# Altium PCB PCB.pcbdoc (part 2 of 6)
Units mil, origin at the board's own origin, x right, y up, seen from the top; angles counter-clockwise.
Board outline 12030 x 6651.89 mil, 2 copper layers (Top Layer, Bottom Layer); 4 components, 257 nets, 480 pads, 2 vias.
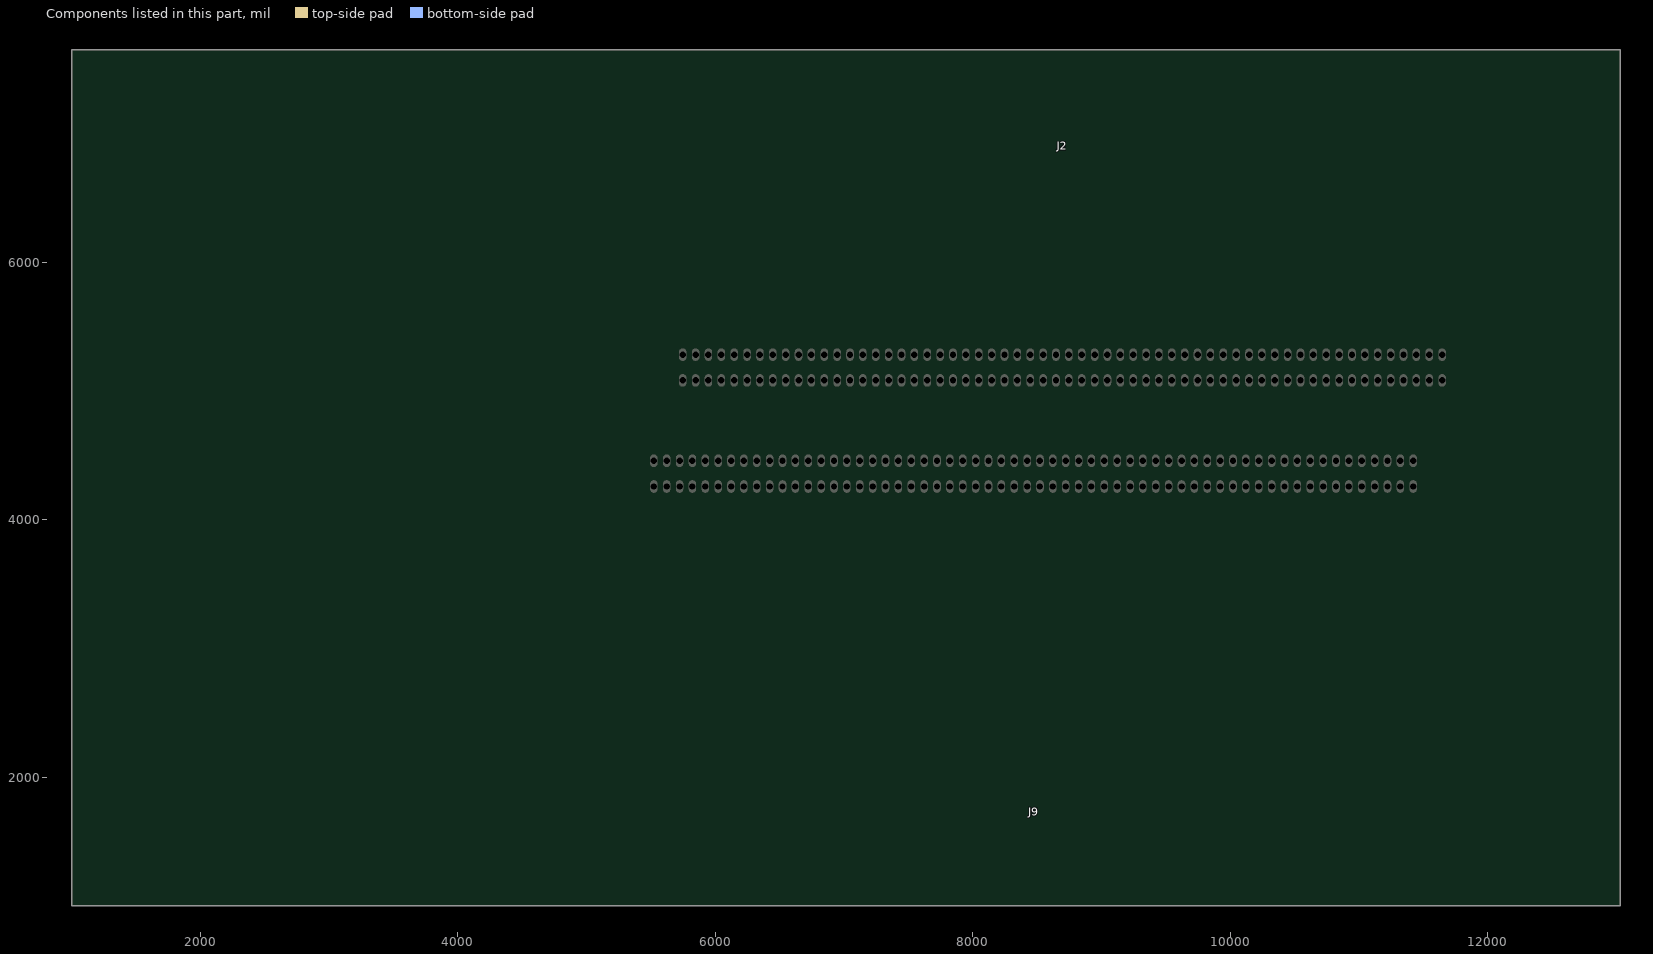
[diagram p2: the components of this part, seen from the top]

## Footprints (in the part's own frame and the unit in brackets; to place one, negate y for a bottom-side part, rotate by r counter-clockwise, add the part's x,y. Pads: shape width x height; smd on the part's side, far side on the other; paste and mask are expansions set on the pad) (continued)
I/O_EDGE_CONNECTOR [mil] (continued)
  Top Layer region: 751.63,213.52 750,213.56 750,213.56 748.36,213.52 748.36,213.52 746.73,213.4 746.73,213.4 745.11,213.2 745.11,213.2 743.49,212.92 743.49,212.92 741.9,212.56 741.9,212.56 740.32,212.13 740.32,212.13 738.77,211.61 738.77,211.61 737.24,211.03 737.24,211.03 735.74,210.37 735.74,210.37 734.28,209.63 734.28,209.63 732.86,208.83 732.86,208.83 731.47,207.95 731.47,207.95 730.13,207.01 730.13,207.01 728.84,206.01 728.84,206.01 727.6,204.94 727.6,204.94 726.41,203.82 726.41,203.82 725.28,202.63 725.28,202.63 724.21,201.4 724.21,201.4 723.2,200.11 723.2,200.11 722.25,198.78 722.25,198.78 721.37,197.4 721.37,197.4 720.56,195.98 720.56,195.98 719.82,194.52 719.82,194.52 719.15,193.02 719.15,193.02 718.56,191.5 718.56,191.5 718.04,189.95 718.04,189.95 717.6,188.37 717.6,188.37 717.23,186.78 717.23,186.78 716.95,185.17 716.95,185.17 716.74,183.54 716.74,183.54 716.61,181.91 716.61,181.91 716.56,180.31 716.56,180.31 716.53,180.31 716.53,180.31 716.53,-213.39 716.53,-213.39 783.46,-213.39 783.46,-213.39 783.46,180.31 783.46,180.31 783.41,181.94 783.41,181.94 783.28,183.57 783.28,183.57 783.07,185.2 783.07,185.2 782.79,186.81 782.79,186.81 782.42,188.4 782.42,188.4 781.98,189.98 781.98,189.98 781.45,191.53 781.45,191.53 780.86,193.05 780.86,193.05 780.19,194.55 780.19,194.55 779.45,196 779.45,196 778.63,197.42 778.63,197.42 777.75,198.8 777.75,198.8 776.81,200.14 776.81,200.14 775.8,201.42 775.8,201.42 774.72,202.66 774.72,202.66 773.59,203.84 773.59,203.84 772.4,204.96 772.4,204.96 771.16,206.03 771.16,206.03 769.86,207.03 769.86,207.03 768.53,207.97 768.53,207.97 767.14,208.84 767.14,208.84 765.72,209.65 765.72,209.65 764.25,210.38 764.25,210.38 762.75,211.04 762.75,211.04 761.23,211.63 761.23,211.63 759.67,212.14 759.67,212.14 758.1,212.57 758.1,212.57 756.5,212.93 756.5,212.93 754.89,213.21 754.89,213.21 753.26,213.4 753.26,213.4
  Top Layer region: 651.63,213.52 649.99,213.56 649.99,213.56 648.36,213.52 648.36,213.52 646.73,213.4 646.73,213.4 645.1,213.2 645.1,213.2 643.49,212.92 643.49,212.92 641.89,212.56 641.89,212.56 640.32,212.13 640.32,212.13 638.76,211.61 638.76,211.61 637.24,211.03 637.24,211.03 635.74,210.37 635.74,210.37 634.28,209.63 634.28,209.63 632.85,208.83 632.85,208.83 631.47,207.95 631.47,207.95 630.13,207.01 630.13,207.01 628.84,206.01 628.84,206.01 627.6,204.94 627.6,204.94 626.41,203.82 626.41,203.82 625.28,202.64 625.28,202.64 624.21,201.4 624.21,201.4 623.19,200.11 623.19,200.11 622.25,198.78 622.25,198.78 621.37,197.4 621.37,197.4 620.56,195.98 620.56,195.98 619.82,194.52 619.82,194.52 619.15,193.02 619.15,193.02 618.56,191.5 618.56,191.5 618.04,189.95 618.04,189.95 617.6,188.37 617.6,188.37 617.23,186.78 617.23,186.78 616.94,185.17 616.94,185.17 616.73,183.54 616.73,183.54 616.61,181.91 616.61,181.91 616.56,180.31 616.56,180.31 616.53,180.31 616.53,180.31 616.53,-213.39 616.53,-213.39 683.46,-213.39 683.46,-213.39 683.46,180.31 683.46,180.31 683.41,181.94 683.41,181.94 683.28,183.57 683.28,183.57 683.07,185.2 683.07,185.2 682.78,186.81 682.78,186.81 682.41,188.4 682.41,188.4 681.97,189.98 681.97,189.98 681.45,191.53 681.45,191.53 680.86,193.05 680.86,193.05 680.19,194.55 680.19,194.55 679.44,196 679.44,196 678.63,197.42 678.63,197.42 677.75,198.8 677.75,198.8 676.8,200.14 676.8,200.14 675.79,201.42 675.79,201.42 674.72,202.66 674.72,202.66 673.59,203.84 673.59,203.84 672.4,204.96 672.4,204.96 671.16,206.03 671.16,206.03 669.86,207.03 669.86,207.03 668.52,207.97 668.52,207.97 667.14,208.84 667.14,208.84 665.71,209.65 665.71,209.65 664.25,210.38 664.25,210.38 662.75,211.04 662.75,211.04 661.23,211.63 661.23,211.63 659.67,212.14 659.67,212.14 658.09,212.57 658.09,212.57 656.5,212.93 656.5,212.93 654.89,213.21 654.89,213.21 653.26,213.4 653.26,213.4
  Top Layer region: 551.61,213.52 549.97,213.56 549.97,213.56 548.34,213.52 548.34,213.52 546.7,213.4 546.7,213.4 545.08,213.2 545.08,213.2 543.47,212.92 543.47,212.92 541.87,212.56 541.87,212.56 540.29,212.13 540.29,212.13 538.74,211.61 538.74,211.61 537.21,211.03 537.21,211.03 535.72,210.37 535.72,210.37 534.25,209.63 534.25,209.63 532.83,208.83 532.83,208.83 531.45,207.95 531.45,207.95 530.11,207.01 530.11,207.01 528.82,206.01 528.82,206.01 527.57,204.94 527.57,204.94 526.39,203.82 526.39,203.82 525.26,202.63 525.26,202.63 524.19,201.4 524.19,201.4 523.17,200.11 523.17,200.11 522.23,198.78 522.23,198.78 521.35,197.4 521.35,197.4 520.54,195.97 520.54,195.97 519.79,194.52 519.79,194.52 519.13,193.02 519.13,193.02 518.53,191.5 518.53,191.5 518.02,189.95 518.02,189.95 517.57,188.37 517.57,188.37 517.21,186.78 517.21,186.78 516.92,185.17 516.92,185.17 516.71,183.54 516.71,183.54 516.58,181.91 516.58,181.91 516.54,180.31 516.54,180.31 516.51,180.31 516.51,180.31 516.51,-213.39 516.51,-213.39 583.44,-213.39 583.44,-213.39 583.44,180.31 583.44,180.31 583.39,181.94 583.39,181.94 583.26,183.57 583.26,183.57 583.05,185.2 583.05,185.2 582.76,186.81 582.76,186.81 582.4,188.4 582.4,188.4 581.95,189.98 581.95,189.98 581.43,191.53 581.43,191.53 580.83,193.05 580.83,193.05 580.17,194.54 580.17,194.54 579.42,196 579.42,196 578.61,197.42 578.61,197.42 577.73,198.8 577.73,198.8 576.78,200.14 576.78,200.14 575.77,201.42 575.77,201.42 574.69,202.66 574.69,202.66 573.56,203.84 573.56,203.84 572.38,204.96 572.38,204.96 571.14,206.03 571.14,206.03 569.84,207.03 569.84,207.03 568.5,207.97 568.5,207.97 567.12,208.84 567.12,208.84 565.69,209.65 565.69,209.65 564.23,210.38 564.23,210.38 562.73,211.04 562.73,211.04 561.2,211.62 561.2,211.62 559.65,212.13 559.65,212.13 558.07,212.57 558.07,212.57 556.48,212.93 556.48,212.93 554.86,213.2 554.86,213.2 553.24,213.4 553.24,213.4
  Top Layer region: 451.6,213.52 449.97,213.56 449.97,213.56 448.33,213.52 448.33,213.52 446.7,213.4 446.7,213.4 445.08,213.2 445.08,213.2 443.46,212.92 443.46,212.92 441.87,212.56 441.87,212.56 440.29,212.13 440.29,212.13 438.74,211.62 438.74,211.62 437.21,211.03 437.21,211.03 435.71,210.37 435.71,210.37 434.25,209.63 434.25,209.63 432.83,208.83 432.83,208.83 431.44,207.95 431.44,207.95 430.1,207.01 430.1,207.01 428.81,206.01 428.81,206.01 427.57,204.94 427.57,204.94 426.38,203.82 426.38,203.82 425.25,202.64 425.25,202.64 424.18,201.4 424.18,201.4 423.17,200.11 423.17,200.11 422.23,198.78 422.23,198.78 421.34,197.4 421.34,197.4 420.53,195.98 420.53,195.98 419.79,194.52 419.79,194.52 419.12,193.02 419.12,193.02 418.53,191.5 418.53,191.5 418.01,189.95 418.01,189.95 417.57,188.37 417.57,188.37 417.2,186.78 417.2,186.78 416.92,185.17 416.92,185.17 416.71,183.54 416.71,183.54 416.58,181.91 416.58,181.91 416.53,180.31 416.53,180.31 416.51,180.31 416.51,180.31 416.51,-213.39 416.51,-213.39 483.43,-213.39 483.43,-213.39 483.43,180.31 483.43,180.31 483.38,181.94 483.38,181.94 483.26,183.57 483.26,183.57 483.05,185.2 483.05,185.2 482.76,186.81 482.76,186.81 482.39,188.4 482.39,188.4 481.95,189.98 481.95,189.98 481.42,191.53 481.42,191.53 480.83,193.05 480.83,193.05 480.16,194.55 480.16,194.55 479.42,196 479.42,196 478.61,197.42 478.61,197.42 477.73,198.8 477.73,198.8 476.78,200.14 476.78,200.14 475.77,201.42 475.77,201.42 474.69,202.66 474.69,202.66 473.56,203.84 473.56,203.84 472.37,204.96 472.37,204.96 471.13,206.03 471.13,206.03 469.84,207.03 469.84,207.03 468.5,207.97 468.5,207.97 467.11,208.84 467.11,208.84 465.69,209.65 465.69,209.65 464.23,210.38 464.23,210.38 462.73,211.04 462.73,211.04 461.2,211.63 461.2,211.63 459.65,212.14 459.65,212.14 458.07,212.57 458.07,212.57 456.47,212.93 456.47,212.93 454.86,213.2 454.86,213.2 453.24,213.4 453.24,213.4
  Top Layer region: 351.6,213.52 349.97,213.56 349.97,213.56 348.33,213.52 348.33,213.52 346.7,213.4 346.7,213.4 345.08,213.2 345.08,213.2 343.46,212.92 343.46,212.92 341.87,212.56 341.87,212.56 340.29,212.13 340.29,212.13 338.74,211.61 338.74,211.61 337.21,211.03 337.21,211.03 335.71,210.37 335.71,210.37 334.25,209.63 334.25,209.63 332.83,208.83 332.83,208.83 331.44,207.95 331.44,207.95 330.1,207.01 330.1,207.01 328.81,206.01 328.81,206.01 327.57,204.94 327.57,204.94 326.38,203.82 326.38,203.82 325.25,202.64 325.25,202.64 324.18,201.4 324.18,201.4 323.17,200.11 323.17,200.11 322.23,198.78 322.23,198.78 321.34,197.4 321.34,197.4 320.53,195.98 320.53,195.98 319.79,194.52 319.79,194.52 319.12,193.02 319.12,193.02 318.53,191.5 318.53,191.5 318.01,189.95 318.01,189.95 317.57,188.37 317.57,188.37 317.2,186.78 317.2,186.78 316.92,185.17 316.92,185.17 316.71,183.55 316.71,183.55 316.58,181.91 316.58,181.91 316.53,180.31 316.53,180.31 316.51,180.31 316.51,180.31 316.51,-213.39 316.51,-213.39 383.43,-213.39 383.43,-213.39 383.43,180.31 383.43,180.31 383.38,181.94 383.38,181.94 383.26,183.58 383.26,183.58 383.05,185.2 383.05,185.2 382.76,186.81 382.76,186.81 382.39,188.4 382.39,188.4 381.95,189.98 381.95,189.98 381.42,191.53 381.42,191.53 380.83,193.05 380.83,193.05 380.16,194.55 380.16,194.55 379.42,196.01 379.42,196.01 378.61,197.43 378.61,197.43 377.73,198.8 377.73,198.8 376.78,200.14 376.78,200.14 375.77,201.42 375.77,201.42 374.69,202.66 374.69,202.66 373.56,203.84 373.56,203.84 372.37,204.97 372.37,204.97 371.13,206.03 371.13,206.03 369.84,207.03 369.84,207.03 368.5,207.97 368.5,207.97 367.11,208.84 367.11,208.84 365.69,209.65 365.69,209.65 364.23,210.38 364.23,210.38 362.73,211.04 362.73,211.04 361.2,211.63 361.2,211.63 359.65,212.14 359.65,212.14 358.07,212.57 358.07,212.57 356.47,212.93 356.47,212.93 354.86,213.21 354.86,213.21 353.24,213.4 353.24,213.4
  Top Layer region: 251.6,213.52 249.97,213.56 249.97,213.56 248.34,213.52 248.34,213.52 246.7,213.4 246.7,213.4 245.08,213.2 245.08,213.2 243.47,212.92 243.47,212.92 241.87,212.56 241.87,212.56 240.29,212.13 240.29,212.13 238.74,211.62 238.74,211.62 237.21,211.03 237.21,211.03 235.72,210.37 235.72,210.37 234.25,209.63 234.25,209.63 232.83,208.83 232.83,208.83 231.44,207.95 231.44,207.95 230.1,207.01 230.1,207.01 228.81,206.01 228.81,206.01 227.57,204.94 227.57,204.94 226.39,203.82 226.39,203.82 225.26,202.64 225.26,202.64 224.18,201.4 224.18,201.4 223.17,200.11 223.17,200.11 222.23,198.78 222.23,198.78 221.35,197.4 221.35,197.4 220.53,195.98 220.53,195.98 219.8,194.52 219.8,194.52 219.13,193.02 219.13,193.02 218.53,191.5 218.53,191.5 218.01,189.95 218.01,189.95 217.57,188.37 217.57,188.37 217.21,186.78 217.21,186.78 216.92,185.17 216.92,185.17 216.71,183.55 216.71,183.55 216.58,181.91 216.58,181.91 216.54,180.31 216.54,180.31 216.51,180.31 216.51,180.31 216.51,-213.39 216.51,-213.39 283.43,-213.39 283.43,-213.39 283.43,180.31 283.43,180.31 283.39,181.95 283.39,181.95 283.26,183.58 283.26,183.58 283.05,185.2 283.05,185.2 282.76,186.81 282.76,186.81 282.39,188.4 282.39,188.4 281.95,189.98 281.95,189.98 281.43,191.53 281.43,191.53 280.83,193.05 280.83,193.05 280.16,194.55 280.16,194.55 279.42,196.01 279.42,196.01 278.61,197.43 278.61,197.43 277.73,198.8 277.73,198.8 276.78,200.14 276.78,200.14 275.77,201.42 275.77,201.42 274.69,202.66 274.69,202.66 273.56,203.84 273.56,203.84 272.37,204.97 272.37,204.97 271.13,206.03 271.13,206.03 269.84,207.03 269.84,207.03 268.5,207.97 268.5,207.97 267.11,208.84 267.11,208.84 265.69,209.65 265.69,209.65 264.23,210.38 264.23,210.38 262.73,211.04 262.73,211.04 261.2,211.63 261.2,211.63 259.65,212.14 259.65,212.14 258.07,212.57 258.07,212.57 256.47,212.93 256.47,212.93 254.86,213.21 254.86,213.21 253.24,213.4 253.24,213.4
  Top Layer region: 151.6,213.52 149.97,213.56 149.97,213.56 148.33,213.52 148.33,213.52 146.7,213.4 146.7,213.4 145.08,213.2 145.08,213.2 143.47,212.92 143.47,212.92 141.87,212.56 141.87,212.56 140.29,212.13 140.29,212.13 138.74,211.62 138.74,211.62 137.21,211.03 137.21,211.03 135.71,210.37 135.71,210.37 134.25,209.63 134.25,209.63 132.83,208.83 132.83,208.83 131.44,207.95 131.44,207.95 130.1,207.01 130.1,207.01 128.81,206.01 128.81,206.01 127.57,204.94 127.57,204.94 126.38,203.82 126.38,203.82 125.25,202.64 125.25,202.64 124.18,201.4 124.18,201.4 123.17,200.11 123.17,200.11 122.23,198.78 122.23,198.78 121.35,197.4 121.35,197.4 120.53,195.98 120.53,195.98 119.8,194.52 119.8,194.52 119.13,193.02 119.13,193.02 118.53,191.5 118.53,191.5 118.01,189.95 118.01,189.95 117.57,188.37 117.57,188.37 117.2,186.78 117.2,186.78 116.92,185.17 116.92,185.17 116.71,183.55 116.71,183.55 116.58,181.91 116.58,181.91 116.53,180.31 116.53,180.31 116.51,180.31 116.51,180.31 116.51,-213.39 116.51,-213.39 183.43,-213.39 183.43,-213.39 183.43,180.31 183.43,180.31 183.39,181.95 183.39,181.95 183.26,183.58 183.26,183.58 183.05,185.2 183.05,185.2 182.76,186.81 182.76,186.81 182.39,188.4 182.39,188.4 181.95,189.98 181.95,189.98 181.42,191.53 181.42,191.53 180.83,193.05 180.83,193.05 180.16,194.55 180.16,194.55 179.42,196.01 179.42,196.01 178.61,197.43 178.61,197.43 177.73,198.8 177.73,198.8 176.78,200.14 176.78,200.14 175.77,201.42 175.77,201.42 174.69,202.66 174.69,202.66 173.56,203.84 173.56,203.84 172.37,204.97 172.37,204.97 171.13,206.03 171.13,206.03 169.84,207.03 169.84,207.03 168.5,207.97 168.5,207.97 167.11,208.84 167.11,208.84 165.69,209.65 165.69,209.65 164.23,210.38 164.23,210.38 162.73,211.04 162.73,211.04 161.2,211.63 161.2,211.63 159.65,212.14 159.65,212.14 158.07,212.57 158.07,212.57 156.47,212.93 156.47,212.93 154.86,213.21 154.86,213.21 153.24,213.4 153.24,213.4
  Top Layer region: 51.63,213.84 50,213.88 50,213.88 48.36,213.84 48.36,213.84 46.73,213.71 46.73,213.71 45.11,213.51 45.11,213.51 43.5,213.23 43.5,213.23 41.9,212.88 41.9,212.88 40.32,212.44 40.32,212.44 38.77,211.93 38.77,211.93 37.24,211.34 37.24,211.34 35.74,210.68 35.74,210.68 34.28,209.95 34.28,209.95 32.86,209.14 32.86,209.14 31.47,208.27 31.47,208.27 30.13,207.33 30.13,207.33 28.84,206.32 28.84,206.32 27.6,205.26 27.6,205.26 26.41,204.13 26.41,204.13 25.28,202.95 25.28,202.95 24.21,201.71 24.21,201.71 23.2,200.43 23.2,200.43 22.26,199.09 22.26,199.09 21.38,197.71 21.38,197.71 20.57,196.29 20.57,196.29 19.83,194.83 19.83,194.83 19.16,193.34 19.16,193.34 18.56,191.81 18.56,191.81 18.04,190.26 18.04,190.26 17.6,188.69 17.6,188.69 17.24,187.09 17.24,187.09 16.95,185.48 16.95,185.48 16.74,183.86 16.74,183.86 16.61,182.23 16.61,182.23 16.57,180.62 16.57,180.62 16.54,180.62 16.54,180.62 16.54,-213.08 16.54,-213.08 83.47,-213.08 83.47,-213.08 83.47,180.62 83.47,180.62 83.42,182.26 83.42,182.26 83.29,183.89 83.29,183.89 83.08,185.51 83.08,185.51 82.79,187.12 82.79,187.12 82.42,188.72 82.42,188.72 81.98,190.29 81.98,190.29 81.46,191.84 81.46,191.84 80.86,193.37 80.86,193.37 80.19,194.86 80.19,194.86 79.45,196.32 79.45,196.32 78.64,197.74 78.64,197.74 77.76,199.12 77.76,199.12 76.81,200.45 76.81,200.45 75.8,201.74 75.8,201.74 74.72,202.97 74.72,202.97 73.59,204.15 73.59,204.15 72.4,205.28 72.4,205.28 71.16,206.34 71.16,206.34 69.87,207.35 69.87,207.35 68.53,208.28 68.53,208.28 67.14,209.16 67.14,209.16 65.72,209.96 65.72,209.96 64.26,210.69 64.26,210.69 62.76,211.35 62.76,211.35 61.23,211.94 61.23,211.94 59.68,212.45 59.68,212.45 58.1,212.88 58.1,212.88 56.5,213.24 56.5,213.24 54.89,213.52 54.89,213.52 53.27,213.72 53.27,213.72
  Top Layer region: -48.36,213.84 -50,213.88 -50,213.88 -51.64,213.84 -51.64,213.84 -53.27,213.71 -53.27,213.71 -54.89,213.51 -54.89,213.51 -56.5,213.23 -56.5,213.23 -58.1,212.88 -58.1,212.88 -59.68,212.44 -59.68,212.44 -61.23,211.93 -61.23,211.93 -62.76,211.34 -62.76,211.34 -64.25,210.68 -64.25,210.68 -65.72,209.95 -65.72,209.95 -67.14,209.14 -67.14,209.14 -68.52,208.27 -68.52,208.27 -69.86,207.33 -69.86,207.33 -71.16,206.32 -71.16,206.32 -72.4,205.26 -72.4,205.26 -73.58,204.13 -73.58,204.13 -74.72,202.95 -74.72,202.95 -75.79,201.71 -75.79,201.71 -76.8,200.43 -76.8,200.43 -77.74,199.09 -77.74,199.09 -78.62,197.71 -78.62,197.71 -79.43,196.29 -79.43,196.29 -80.17,194.83 -80.17,194.83 -80.84,193.34 -80.84,193.34 -81.44,191.81 -81.44,191.81 -81.95,190.26 -81.95,190.26 -82.4,188.69 -82.4,188.69 -82.76,187.09 -82.76,187.09 -83.05,185.48 -83.05,185.48 -83.26,183.86 -83.26,183.86 -83.39,182.23 -83.39,182.23 -83.43,180.62 -83.43,180.62 -83.46,180.62 -83.46,180.62 -83.46,-213.08 -83.46,-213.08 -16.53,-213.08 -16.53,-213.08 -16.53,180.62 -16.53,180.62 -16.58,182.26 -16.58,182.26 -16.71,183.89 -16.71,183.89 -16.92,185.51 -16.92,185.51 -17.21,187.12 -17.21,187.12 -17.58,188.72 -17.58,188.72 -18.02,190.29 -18.02,190.29 -18.54,191.84 -18.54,191.84 -19.14,193.37 -19.14,193.37 -19.81,194.86 -19.81,194.86 -20.55,196.32 -20.55,196.32 -21.36,197.74 -21.36,197.74 -22.24,199.12 -22.24,199.12 -23.19,200.45 -23.19,200.45 -24.2,201.74 -24.2,201.74 -25.27,202.97 -25.27,202.97 -26.41,204.15 -26.41,204.15 -27.59,205.28 -27.59,205.28 -28.84,206.34 -28.84,206.34 -30.13,207.35 -30.13,207.35 -31.47,208.28 -31.47,208.28 -32.85,209.16 -32.85,209.16 -34.28,209.96 -34.28,209.96 -35.74,210.69 -35.74,210.69 -37.24,211.35 -37.24,211.35 -38.77,211.94 -38.77,211.94 -40.32,212.45 -40.32,212.45 -41.9,212.88 -41.9,212.88 -43.49,213.24 -43.49,213.24 -45.11,213.52 -45.11,213.52 -46.73,213.72 -46.73,213.72
  Top Layer region: -148.36,213.84 -150,213.88 -150,213.88 -151.63,213.84 -151.63,213.84 -153.26,213.71 -153.26,213.71 -154.89,213.51 -154.89,213.51 -156.5,213.23 -156.5,213.23 -158.1,212.88 -158.1,212.88 -159.67,212.44 -159.67,212.44 -161.23,211.93 -161.23,211.93 -162.75,211.34 -162.75,211.34 -164.25,210.68 -164.25,210.68 -165.71,209.95 -165.71,209.95 -167.14,209.14 -167.14,209.14 -168.52,208.27 -168.52,208.27 -169.86,207.33 -169.86,207.33 -171.15,206.32 -171.15,206.32 -172.39,205.26 -172.39,205.26 -173.58,204.13 -173.58,204.13 -174.71,202.95 -174.71,202.95 -175.78,201.71 -175.78,201.71 -176.79,200.43 -176.79,200.43 -177.74,199.09 -177.74,199.09 -178.62,197.71 -178.62,197.71 -179.43,196.29 -179.43,196.29 -180.17,194.83 -180.17,194.83 -180.84,193.34 -180.84,193.34 -181.43,191.81 -181.43,191.81 -181.95,190.26 -181.95,190.26 -182.4,188.69 -182.4,188.69 -182.76,187.09 -182.76,187.09 -183.05,185.48 -183.05,185.48 -183.26,183.86 -183.26,183.86 -183.38,182.23 -183.38,182.23 -183.43,180.62 -183.43,180.62 -183.46,180.62 -183.46,180.62 -183.46,-213.08 -183.46,-213.08 -116.53,-213.08 -116.53,-213.08 -116.53,180.62 -116.53,180.62 -116.58,182.26 -116.58,182.26 -116.71,183.89 -116.71,183.89 -116.92,185.51 -116.92,185.51 -117.21,187.12 -117.21,187.12 -117.58,188.72 -117.58,188.72 -118.02,190.29 -118.02,190.29 -118.54,191.84 -118.54,191.84 -119.14,193.37 -119.14,193.37 -119.81,194.86 -119.81,194.86 -120.55,196.32 -120.55,196.32 -121.36,197.74 -121.36,197.74 -122.24,199.12 -122.24,199.12 -123.19,200.45 -123.19,200.45 -124.2,201.74 -124.2,201.74 -125.27,202.97 -125.27,202.97 -126.4,204.15 -126.4,204.15 -127.59,205.28 -127.59,205.28 -128.83,206.34 -128.83,206.34 -130.13,207.35 -130.13,207.35 -131.47,208.28 -131.47,208.28 -132.85,209.16 -132.85,209.16 -134.28,209.96 -134.28,209.96 -135.74,210.69 -135.74,210.69 -137.24,211.35 -137.24,211.35 -138.76,211.94 -138.76,211.94 -140.32,212.45 -140.32,212.45 -141.9,212.88 -141.9,212.88 -143.49,213.24 -143.49,213.24 -145.11,213.52 -145.11,213.52 -146.73,213.72 -146.73,213.72
  Top Layer region: -248.36,213.84 -250,213.88 -250,213.88 -251.64,213.84 -251.64,213.84 -253.27,213.71 -253.27,213.71 -254.89,213.51 -254.89,213.51 -256.5,213.23 -256.5,213.23 -258.1,212.88 -258.1,212.88 -259.68,212.44 -259.68,212.44 -261.23,211.93 -261.23,211.93 -262.76,211.34 -262.76,211.34 -264.25,210.68 -264.25,210.68 -265.72,209.95 -265.72,209.95 -267.14,209.14 -267.14,209.14 -268.52,208.27 -268.52,208.27 -269.86,207.33 -269.86,207.33 -271.16,206.32 -271.16,206.32 -272.4,205.26 -272.4,205.26 -273.58,204.13 -273.58,204.13 -274.72,202.95 -274.72,202.95 -275.79,201.71 -275.79,201.71 -276.8,200.43 -276.8,200.43 -277.74,199.09 -277.74,199.09 -278.62,197.71 -278.62,197.71 -279.43,196.29 -279.43,196.29 -280.17,194.83 -280.17,194.83 -280.84,193.34 -280.84,193.34 -281.44,191.81 -281.44,191.81 -281.95,190.26 -281.95,190.26 -282.4,188.69 -282.4,188.69 -282.76,187.09 -282.76,187.09 -283.05,185.48 -283.05,185.48 -283.26,183.86 -283.26,183.86 -283.39,182.23 -283.39,182.23 -283.43,180.62 -283.43,180.62 -283.46,180.62 -283.46,180.62 -283.46,-213.08 -283.46,-213.08 -216.53,-213.08 -216.53,-213.08 -216.53,180.62 -216.53,180.62 -216.58,182.26 -216.58,182.26 -216.71,183.89 -216.71,183.89 -216.92,185.51 -216.92,185.51 -217.21,187.12 -217.21,187.12 -217.58,188.72 -217.58,188.72 -218.02,190.29 -218.02,190.29 -218.54,191.84 -218.54,191.84 -219.14,193.37 -219.14,193.37 -219.81,194.86 -219.81,194.86 -220.55,196.32 -220.55,196.32 -221.36,197.74 -221.36,197.74 -222.24,199.12 -222.24,199.12 -223.19,200.45 -223.19,200.45 -224.2,201.74 -224.2,201.74 -225.27,202.97 -225.27,202.97 -226.41,204.15 -226.41,204.15 -227.59,205.28 -227.59,205.28 -228.84,206.34 -228.84,206.34 -230.13,207.35 -230.13,207.35 -231.47,208.28 -231.47,208.28 -232.85,209.16 -232.85,209.16 -234.28,209.96 -234.28,209.96 -235.74,210.69 -235.74,210.69 -237.24,211.35 -237.24,211.35 -238.77,211.94 -238.77,211.94 -240.32,212.45 -240.32,212.45 -241.9,212.88 -241.9,212.88 -243.49,213.24 -243.49,213.24 -245.11,213.52 -245.11,213.52 -246.73,213.72 -246.73,213.72
  Top Layer region: -348.45,212.9 -350.08,212.94 -350.08,212.94 -351.72,212.89 -351.72,212.89 -353.35,212.77 -353.35,212.77 -354.97,212.57 -354.97,212.57 -356.59,212.29 -356.59,212.29 -358.18,211.94 -358.18,211.94 -359.76,211.5 -359.76,211.5 -361.31,210.99 -361.31,210.99 -362.84,210.4 -362.84,210.4 -364.34,209.74 -364.34,209.74 -365.8,209 -365.8,209 -367.22,208.2 -367.22,208.2 -368.61,207.33 -368.61,207.33 -369.95,206.39 -369.95,206.39 -371.24,205.38 -371.24,205.38 -372.48,204.32 -372.48,204.32 -373.67,203.19 -373.67,203.19 -374.8,202.01 -374.8,202.01 -375.87,200.77 -375.87,200.77 -376.88,199.49 -376.88,199.49 -377.83,198.15 -377.83,198.15 -378.7,196.77 -378.7,196.77 -379.52,195.35 -379.52,195.35 -380.26,193.89 -380.26,193.89 -380.92,192.4 -380.92,192.4 -381.52,190.87 -381.52,190.87 -382.04,189.32 -382.04,189.32 -382.48,187.74 -382.48,187.74 -382.85,186.15 -382.85,186.15 -383.13,184.54 -383.13,184.54 -383.34,182.92 -383.34,182.92 -383.47,181.28 -383.47,181.28 -383.52,179.68 -383.52,179.68 -383.55,179.68 -383.55,179.68 -383.55,-214.02 -383.55,-214.02 -316.62,-214.02 -316.62,-214.02 -316.62,179.68 -316.62,179.68 -316.67,181.32 -316.67,181.32 -316.8,182.95 -316.8,182.95 -317,184.57 -317,184.57 -317.29,186.18 -317.29,186.18 -317.66,187.78 -317.66,187.78 -318.1,189.35 -318.1,189.35 -318.62,190.9 -318.62,190.9 -319.22,192.43 -319.22,192.43 -319.89,193.92 -319.89,193.92 -320.63,195.38 -320.63,195.38 -321.44,196.8 -321.44,196.8 -322.33,198.18 -322.33,198.18 -323.27,199.51 -323.27,199.51 -324.28,200.8 -324.28,200.8 -325.36,202.03 -325.36,202.03 -326.49,203.21 -326.49,203.21 -327.68,204.34 -327.68,204.34 -328.92,205.4 -328.92,205.4 -330.21,206.41 -330.21,206.41 -331.55,207.34 -331.55,207.34 -332.94,208.22 -332.94,208.22 -334.36,209.02 -334.36,209.02 -335.83,209.75 -335.83,209.75 -337.32,210.41 -337.32,210.41 -338.85,211 -338.85,211 -340.4,211.51 -340.4,211.51 -341.98,211.94 -341.98,211.94 -343.58,212.3 -343.58,212.3 -345.19,212.58 -345.19,212.58 -346.82,212.78 -346.82,212.78
  Top Layer region: -448.45,212.9 -450.08,212.94 -450.08,212.94 -451.72,212.89 -451.72,212.89 -453.35,212.77 -453.35,212.77 -454.97,212.57 -454.97,212.57 -456.58,212.29 -456.58,212.29 -458.18,211.94 -458.18,211.94 -459.76,211.5 -459.76,211.5 -461.31,210.99 -461.31,210.99 -462.84,210.4 -462.84,210.4 -464.33,209.74 -464.33,209.74 -465.8,209 -465.8,209 -467.22,208.2 -467.22,208.2 -468.61,207.33 -468.61,207.33 -469.95,206.39 -469.95,206.39 -471.24,205.38 -471.24,205.38 -472.48,204.32 -472.48,204.32 -473.66,203.19 -473.66,203.19 -474.8,202.01 -474.8,202.01 -475.87,200.77 -475.87,200.77 -476.88,199.49 -476.88,199.49 -477.82,198.15 -477.82,198.15 -478.7,196.77 -478.7,196.77 -479.51,195.35 -479.51,195.35 -480.25,193.89 -480.25,193.89 -480.92,192.4 -480.92,192.4 -481.52,190.87 -481.52,190.87 -482.04,189.32 -482.04,189.32 -482.48,187.74 -482.48,187.74 -482.85,186.15 -482.85,186.15 -483.13,184.54 -483.13,184.54 -483.34,182.92 -483.34,182.92 -483.47,181.28 -483.47,181.28 -483.52,179.68 -483.52,179.68 -483.54,179.68 -483.54,179.68 -483.54,-214.02 -483.54,-214.02 -416.61,-214.02 -416.61,-214.02 -416.61,179.68 -416.61,179.68 -416.66,181.32 -416.66,181.32 -416.79,182.95 -416.79,182.95 -417,184.57 -417,184.57 -417.29,186.18 -417.29,186.18 -417.66,187.78 -417.66,187.78 -418.1,189.35 -418.1,189.35 -418.62,190.9 -418.62,190.9 -419.22,192.43 -419.22,192.43 -419.89,193.92 -419.89,193.92 -420.63,195.38 -420.63,195.38 -421.44,196.8 -421.44,196.8 -422.32,198.18 -422.32,198.18 -423.27,199.51 -423.27,199.51 -424.28,200.8 -424.28,200.8 -425.36,202.03 -425.36,202.03 -426.49,203.21 -426.49,203.21 -427.68,204.34 -427.68,204.34 -428.92,205.4 -428.92,205.4 -430.21,206.41 -430.21,206.41 -431.55,207.34 -431.55,207.34 -432.94,208.22 -432.94,208.22 -434.36,209.02 -434.36,209.02 -435.83,209.75 -435.83,209.75 -437.32,210.41 -437.32,210.41 -438.85,211 -438.85,211 -440.4,211.51 -440.4,211.51 -441.98,211.94 -441.98,211.94 -443.58,212.3 -443.58,212.3 -445.19,212.58 -445.19,212.58 -446.81,212.78 -446.81,212.78
  Top Layer region: -548.45,212.9 -550.08,212.94 -550.08,212.94 -551.72,212.89 -551.72,212.89 -553.35,212.77 -553.35,212.77 -554.97,212.57 -554.97,212.57 -556.59,212.29 -556.59,212.29 -558.18,211.94 -558.18,211.94 -559.76,211.5 -559.76,211.5 -561.31,210.99 -561.31,210.99 -562.84,210.4 -562.84,210.4 -564.34,209.74 -564.34,209.74 -565.8,209 -565.8,209 -567.22,208.2 -567.22,208.2 -568.61,207.33 -568.61,207.33 -569.95,206.39 -569.95,206.39 -571.24,205.38 -571.24,205.38 -572.48,204.32 -572.48,204.32 -573.67,203.19 -573.67,203.19 -574.8,202.01 -574.8,202.01 -575.87,200.77 -575.87,200.77 -576.88,199.49 -576.88,199.49 -577.83,198.15 -577.83,198.15 -578.71,196.77 -578.71,196.77 -579.52,195.35 -579.52,195.35 -580.26,193.89 -580.26,193.89 -580.92,192.4 -580.92,192.4 -581.52,190.87 -581.52,190.87 -582.04,189.32 -582.04,189.32 -582.48,187.74 -582.48,187.74 -582.85,186.15 -582.85,186.15 -583.13,184.54 -583.13,184.54 -583.34,182.92 -583.34,182.92 -583.47,181.28 -583.47,181.28 -583.52,179.68 -583.52,179.68 -583.55,179.68 -583.55,179.68 -583.55,-214.02 -583.55,-214.02 -516.62,-214.02 -516.62,-214.02 -516.62,179.68 -516.62,179.68 -516.67,181.32 -516.67,181.32 -516.8,182.95 -516.8,182.95 -517.01,184.57 -517.01,184.57 -517.29,186.18 -517.29,186.18 -517.66,187.78 -517.66,187.78 -518.1,189.35 -518.1,189.35 -518.62,190.9 -518.62,190.9 -519.22,192.43 -519.22,192.43 -519.89,193.92 -519.89,193.92 -520.63,195.38 -520.63,195.38 -521.44,196.8 -521.44,196.8 -522.33,198.18 -522.33,198.18 -523.27,199.51 -523.27,199.51 -524.28,200.8 -524.28,200.8 -525.36,202.03 -525.36,202.03 -526.49,203.21 -526.49,203.21 -527.68,204.34 -527.68,204.34 -528.92,205.4 -528.92,205.4 -530.21,206.41 -530.21,206.41 -531.55,207.34 -531.55,207.34 -532.94,208.22 -532.94,208.22 -534.36,209.02 -534.36,209.02 -535.83,209.75 -535.83,209.75 -537.32,210.41 -537.32,210.41 -538.85,211 -538.85,211 -540.41,211.51 -540.41,211.51 -541.98,211.94 -541.98,211.94 -543.58,212.3 -543.58,212.3 -545.19,212.58 -545.19,212.58 -546.82,212.78 -546.82,212.78
  Top Layer region: -648.45,212.9 -650.08,212.94 -650.08,212.94 -651.72,212.89 -651.72,212.89 -653.35,212.77 -653.35,212.77 -654.98,212.57 -654.98,212.57 -656.59,212.29 -656.59,212.29 -658.18,211.94 -658.18,211.94 -659.76,211.5 -659.76,211.5 -661.31,210.99 -661.31,210.99 -662.84,210.4 -662.84,210.4 -664.34,209.74 -664.34,209.74 -665.8,209 -665.8,209 -667.23,208.2 -667.23,208.2 -668.61,207.33 -668.61,207.33 -669.95,206.39 -669.95,206.39 -671.24,205.38 -671.24,205.38 -672.48,204.32 -672.48,204.32 -673.67,203.19 -673.67,203.19 -674.8,202.01 -674.8,202.01 -675.87,200.77 -675.87,200.77 -676.88,199.49 -676.88,199.49 -677.83,198.15 -677.83,198.15 -678.71,196.77 -678.71,196.77 -679.52,195.35 -679.52,195.35 -680.26,193.89 -680.26,193.89 -680.93,192.4 -680.93,192.4 -681.52,190.87 -681.52,190.87 -682.04,189.32 -682.04,189.32 -682.48,187.74 -682.48,187.74 -682.85,186.15 -682.85,186.15 -683.13,184.54 -683.13,184.54 -683.34,182.92 -683.34,182.92 -683.47,181.28 -683.47,181.28 -683.52,179.68 -683.52,179.68 -683.55,179.68 -683.55,179.68 -683.55,-214.02 -683.55,-214.02 -616.62,-214.02 -616.62,-214.02 -616.62,179.68 -616.62,179.68 -616.67,181.32 -616.67,181.32 -616.8,182.95 -616.8,182.95 -617.01,184.57 -617.01,184.57 -617.29,186.18 -617.29,186.18 -617.66,187.78 -617.66,187.78 -618.1,189.35 -618.1,189.35 -618.63,190.9 -618.63,190.9 -619.22,192.43 -619.22,192.43 -619.89,193.92 -619.89,193.92 -620.63,195.38 -620.63,195.38 -621.45,196.8 -621.45,196.8 -622.33,198.18 -622.33,198.18 -623.27,199.51 -623.27,199.51 -624.28,200.8 -624.28,200.8 -625.36,202.03 -625.36,202.03 -626.49,203.21 -626.49,203.21 -627.68,204.34 -627.68,204.34 -628.92,205.4 -628.92,205.4 -630.21,206.41 -630.21,206.41 -631.55,207.34 -631.55,207.34 -632.94,208.22 -632.94,208.22 -634.36,209.02 -634.36,209.02 -635.83,209.75 -635.83,209.75 -637.32,210.41 -637.32,210.41 -638.85,211 -638.85,211 -640.41,211.51 -640.41,211.51 -641.98,211.94 -641.98,211.94 -643.58,212.3 -643.58,212.3 -645.19,212.58 -645.19,212.58 -646.82,212.78 -646.82,212.78
  Top Layer region: -748.42,213.2 -750.05,213.24 -750.05,213.24 -751.69,213.2 -751.69,213.2 -753.32,213.08 -753.32,213.08 -754.95,212.88 -754.95,212.88 -756.56,212.6 -756.56,212.6 -758.15,212.24 -758.15,212.24 -759.73,211.81 -759.73,211.81 -761.28,211.3 -761.28,211.3 -762.81,210.71 -762.81,210.71 -764.31,210.05 -764.31,210.05 -765.77,209.31 -765.77,209.31 -767.2,208.51 -767.2,208.51 -768.58,207.64 -768.58,207.64 -769.92,206.7 -769.92,206.7 -771.21,205.69 -771.21,205.69 -772.45,204.62 -772.45,204.62 -773.64,203.5 -773.64,203.5 -774.77,202.32 -774.77,202.32 -775.84,201.08 -775.84,201.08 -776.85,199.79 -776.85,199.79 -777.8,198.46 -777.8,198.46 -778.68,197.08 -778.68,197.08 -779.49,195.66 -779.49,195.66 -780.23,194.2 -780.23,194.2 -780.9,192.7 -780.9,192.7 -781.49,191.18 -781.49,191.18 -782.01,189.63 -782.01,189.63 -782.45,188.05 -782.45,188.05 -782.82,186.46 -782.82,186.46 -783.1,184.85 -783.1,184.85 -783.31,183.23 -783.31,183.23 -783.44,181.59 -783.44,181.59 -783.49,179.99 -783.49,179.99 -783.52,179.99 -783.52,179.99 -783.52,-213.71 -783.52,-213.71 -716.59,-213.71 -716.59,-213.71 -716.59,179.99 -716.59,179.99 -716.64,181.63 -716.64,181.63 -716.77,183.26 -716.77,183.26 -716.98,184.88 -716.98,184.88 -717.26,186.49 -717.26,186.49 -717.63,188.08 -717.63,188.08 -718.08,189.66 -718.08,189.66 -718.6,191.21 -718.6,191.21 -719.19,192.74 -719.19,192.74 -719.86,194.23 -719.86,194.23 -720.6,195.69 -720.6,195.69 -721.42,197.11 -721.42,197.11 -722.3,198.49 -722.3,198.49 -723.24,199.82 -723.24,199.82 -724.26,201.11 -724.26,201.11 -725.33,202.34 -725.33,202.34 -726.46,203.52 -726.46,203.52 -727.65,204.65 -727.65,204.65 -728.89,205.71 -728.89,205.71 -730.18,206.71 -730.18,206.71 -731.52,207.65 -731.52,207.65 -732.91,208.53 -732.91,208.53 -734.33,209.33 -734.33,209.33 -735.8,210.06 -735.8,210.06 -737.29,210.72 -737.29,210.72 -738.82,211.31 -738.82,211.31 -740.38,211.82 -740.38,211.82 -741.95,212.25 -741.95,212.25 -743.55,212.61 -743.55,212.61 -745.16,212.89 -745.16,212.89 -746.79,213.08 -746.79,213.08
  Top Layer region: -848.41,213.2 -850.05,213.24 -850.05,213.24 -851.69,213.2 -851.69,213.2 -853.32,213.08 -853.32,213.08 -854.94,212.88 -854.94,212.88 -856.55,212.6 -856.55,212.6 -858.15,212.24 -858.15,212.24 -859.73,211.81 -859.73,211.81 -861.28,211.3 -861.28,211.3 -862.81,210.71 -862.81,210.71 -864.31,210.05 -864.31,210.05 -865.77,209.31 -865.77,209.31 -867.19,208.51 -867.19,208.51 -868.58,207.64 -868.58,207.64 -869.91,206.7 -869.91,206.7 -871.21,205.69 -871.21,205.69 -872.45,204.62 -872.45,204.62 -873.64,203.5 -873.64,203.5 -874.77,202.32 -874.77,202.32 -875.84,201.08 -875.84,201.08 -876.85,199.79 -876.85,199.79 -877.79,198.46 -877.79,198.46 -878.67,197.08 -878.67,197.08 -879.48,195.66 -879.48,195.66 -880.22,194.2 -880.22,194.2 -880.89,192.7 -880.89,192.7 -881.49,191.18 -881.49,191.18 -882.01,189.63 -882.01,189.63 -882.45,188.05 -882.45,188.05 -882.81,186.46 -882.81,186.46 -883.1,184.85 -883.1,184.85 -883.31,183.23 -883.31,183.23 -883.44,181.59 -883.44,181.59 -883.48,179.99 -883.48,179.99 -883.51,179.99 -883.51,179.99 -883.51,-213.71 -883.51,-213.71 -816.58,-213.71 -816.58,-213.71 -816.58,179.99 -816.58,179.99 -816.63,181.63 -816.63,181.63 -816.76,183.26 -816.76,183.26 -816.97,184.88 -816.97,184.88 -817.26,186.49 -817.26,186.49 -817.63,188.08 -817.63,188.08 -818.07,189.66 -818.07,189.66 -818.59,191.21 -818.59,191.21 -819.19,192.74 -819.19,192.74 -819.86,194.23 -819.86,194.23 -820.6,195.69 -820.6,195.69 -821.41,197.11 -821.41,197.11 -822.29,198.49 -822.29,198.49 -823.24,199.82 -823.24,199.82 -824.25,201.11 -824.25,201.11 -825.33,202.34 -825.33,202.34 -826.46,203.52 -826.46,203.52 -827.65,204.65 -827.65,204.65 -828.89,205.71 -828.89,205.71 -830.18,206.71 -830.18,206.71 -831.52,207.65 -831.52,207.65 -832.91,208.53 -832.91,208.53 -834.33,209.33 -834.33,209.33 -835.79,210.06 -835.79,210.06 -837.29,210.72 -837.29,210.72 -838.82,211.31 -838.82,211.31 -840.37,211.82 -840.37,211.82 -841.95,212.25 -841.95,212.25 -843.55,212.61 -843.55,212.61 -845.16,212.89 -845.16,212.89 -846.78,213.08 -846.78,213.08
  Top Layer region: -948.41,213.2 -950.05,213.24 -950.05,213.24 -951.68,213.2 -951.68,213.2 -953.32,213.08 -953.32,213.08 -954.94,212.88 -954.94,212.88 -956.55,212.6 -956.55,212.6 -958.15,212.24 -958.15,212.24 -959.73,211.81 -959.73,211.81 -961.28,211.29 -961.28,211.29 -962.81,210.71 -962.81,210.71 -964.3,210.04 -964.3,210.04 -965.76,209.31 -965.76,209.31 -967.19,208.51 -967.19,208.51 -968.57,207.64 -968.57,207.64 -969.91,206.7 -969.91,206.7 -971.2,205.69 -971.2,205.69 -972.45,204.62 -972.45,204.62 -973.63,203.5 -973.63,203.5 -974.76,202.32 -974.76,202.32 -975.83,201.08 -975.83,201.08 -976.85,199.79 -976.85,199.79 -977.79,198.46 -977.79,198.46 -978.67,197.08 -978.67,197.08 -979.48,195.66 -979.48,195.66 -980.22,194.2 -980.22,194.2 -980.89,192.7 -980.89,192.7 -981.49,191.18 -981.49,191.18 -982,189.63 -982,189.63 -982.45,188.05 -982.45,188.05 -982.81,186.46 -982.81,186.46 -983.1,184.85 -983.1,184.85 -983.31,183.22 -983.31,183.22 -983.44,181.59 -983.44,181.59 -983.48,179.99 -983.48,179.99 -983.51,179.99 -983.51,179.99 -983.51,-213.71 -983.51,-213.71 -916.58,-213.71 -916.58,-213.71 -916.58,179.99 -916.58,179.99 -916.63,181.62 -916.63,181.62 -916.76,183.25 -916.76,183.25 -916.97,184.88 -916.97,184.88 -917.26,186.49 -917.26,186.49 -917.63,188.08 -917.63,188.08 -918.07,189.66 -918.07,189.66 -918.59,191.21 -918.59,191.21 -919.19,192.73 -919.19,192.73 -919.86,194.23 -919.86,194.23 -920.6,195.68 -920.6,195.68 -921.41,197.1 -921.41,197.1 -922.29,198.49 -922.29,198.49 -923.24,199.82 -923.24,199.82 -924.25,201.1 -924.25,201.1 -925.32,202.34 -925.32,202.34 -926.45,203.52 -926.45,203.52 -927.64,204.65 -927.64,204.65 -928.89,205.71 -928.89,205.71 -930.18,206.71 -930.18,206.71 -931.52,207.65 -931.52,207.65 -932.9,208.52 -932.9,208.52 -934.33,209.33 -934.33,209.33 -935.79,210.06 -935.79,210.06 -937.29,210.72 -937.29,210.72 -938.82,211.3 -938.82,211.3 -940.37,211.82 -940.37,211.82 -941.95,212.25 -941.95,212.25 -943.54,212.61 -943.54,212.61 -945.16,212.88 -945.16,212.88 -946.78,213.08 -946.78,213.08
  Top Layer region: -1048.41,213.2 -1050.05,213.24 -1050.05,213.24 -1051.69,213.2 -1051.69,213.2 -1053.32,213.08 -1053.32,213.08 -1054.94,212.88 -1054.94,212.88 -1056.55,212.6 -1056.55,212.6 -1058.15,212.24 -1058.15,212.24 -1059.73,211.81 -1059.73,211.81 -1061.28,211.3 -1061.28,211.3 -1062.81,210.71 -1062.81,210.71 -1064.31,210.05 -1064.31,210.05 -1065.77,209.31 -1065.77,209.31 -1067.19,208.51 -1067.19,208.51 -1068.58,207.64 -1068.58,207.64 -1069.91,206.7 -1069.91,206.7 -1071.21,205.69 -1071.21,205.69 -1072.45,204.62 -1072.45,204.62 -1073.64,203.5 -1073.64,203.5 -1074.77,202.32 -1074.77,202.32 -1075.84,201.08 -1075.84,201.08 -1076.85,199.79 -1076.85,199.79 -1077.79,198.46 -1077.79,198.46 -1078.67,197.08 -1078.67,197.08 -1079.48,195.66 -1079.48,195.66 -1080.22,194.2 -1080.22,194.2 -1080.89,192.7 -1080.89,192.7 -1081.49,191.18 -1081.49,191.18 -1082.01,189.63 -1082.01,189.63 -1082.45,188.05 -1082.45,188.05 -1082.81,186.46 -1082.81,186.46 -1083.1,184.85 -1083.1,184.85 -1083.31,183.23 -1083.31,183.23 -1083.44,181.59 -1083.44,181.59 -1083.48,179.99 -1083.48,179.99 -1083.51,179.99 -1083.51,179.99 -1083.51,-213.71 -1083.51,-213.71 -1016.58,-213.71 -1016.58,-213.71 -1016.58,179.99 -1016.58,179.99 -1016.63,181.63 -1016.63,181.63 -1016.76,183.26 -1016.76,183.26 -1016.97,184.88 -1016.97,184.88 -1017.26,186.49 -1017.26,186.49 -1017.63,188.08 -1017.63,188.08 -1018.07,189.66 -1018.07,189.66 -1018.59,191.21 -1018.59,191.21 -1019.19,192.74 -1019.19,192.74 -1019.86,194.23 -1019.86,194.23 -1020.6,195.69 -1020.6,195.69 -1021.41,197.11 -1021.41,197.11 -1022.29,198.49 -1022.29,198.49 -1023.24,199.82 -1023.24,199.82 -1024.25,201.11 -1024.25,201.11 -1025.33,202.34 -1025.33,202.34 -1026.46,203.52 -1026.46,203.52 -1027.65,204.65 -1027.65,204.65 -1028.89,205.71 -1028.89,205.71 -1030.18,206.71 -1030.18,206.71 -1031.52,207.65 -1031.52,207.65 -1032.91,208.53 -1032.91,208.53 -1034.33,209.33 -1034.33,209.33 -1035.79,210.06 -1035.79,210.06 -1037.29,210.72 -1037.29,210.72 -1038.82,211.31 -1038.82,211.31 -1040.37,211.82 -1040.37,211.82 -1041.95,212.25 -1041.95,212.25 -1043.55,212.61 -1043.55,212.61 -1045.16,212.89 -1045.16,212.89 -1046.78,213.08 -1046.78,213.08
  Top Layer region: -1148.44,212.9 -1150.07,212.94 -1150.07,212.94 -1151.71,212.9 -1151.71,212.9 -1153.34,212.78 -1153.34,212.78 -1154.96,212.57 -1154.96,212.57 -1156.58,212.29 -1156.58,212.29 -1158.17,211.94 -1158.17,211.94 -1159.75,211.5 -1159.75,211.5 -1161.3,210.99 -1161.3,210.99 -1162.83,210.4 -1162.83,210.4 -1164.33,209.74 -1164.33,209.74 -1165.79,209.01 -1165.79,209.01 -1167.21,208.2 -1167.21,208.2 -1168.6,207.33 -1168.6,207.33 -1169.94,206.39 -1169.94,206.39 -1171.23,205.38 -1171.23,205.38 -1172.47,204.32 -1172.47,204.32 -1173.66,203.19 -1173.66,203.19 -1174.79,202.01 -1174.79,202.01 -1175.86,200.77 -1175.86,200.77 -1176.87,199.49 -1176.87,199.49 -1177.81,198.15 -1177.81,198.15 -1178.69,196.77 -1178.69,196.77 -1179.5,195.35 -1179.5,195.35 -1180.24,193.89 -1180.24,193.89 -1180.91,192.4 -1180.91,192.4 -1181.51,190.87 -1181.51,190.87 -1182.03,189.32 -1182.03,189.32 -1182.47,187.75 -1182.47,187.75 -1182.83,186.15 -1182.83,186.15 -1183.12,184.54 -1183.12,184.54 -1183.33,182.92 -1183.33,182.92 -1183.46,181.29 -1183.46,181.29 -1183.5,179.68 -1183.5,179.68 -1183.53,179.68 -1183.53,179.68 -1183.53,-214.02 -1183.53,-214.02 -1116.6,-214.02 -1116.6,-214.02 -1116.6,179.68 -1116.6,179.68 -1116.66,181.32 -1116.66,181.32 -1116.78,182.95 -1116.78,182.95 -1116.99,184.57 -1116.99,184.57 -1117.28,186.18 -1117.28,186.18 -1117.65,187.78 -1117.65,187.78 -1118.09,189.35 -1118.09,189.35 -1118.61,190.9 -1118.61,190.9 -1119.21,192.43 -1119.21,192.43 -1119.88,193.92 -1119.88,193.92 -1120.62,195.38 -1120.62,195.38 -1121.43,196.8 -1121.43,196.8 -1122.31,198.18 -1122.31,198.18 -1123.26,199.51 -1123.26,199.51 -1124.27,200.8 -1124.27,200.8 -1125.35,202.03 -1125.35,202.03 -1126.48,203.22 -1126.48,203.22 -1127.67,204.34 -1127.67,204.34 -1128.91,205.4 -1128.91,205.4 -1130.2,206.41 -1130.2,206.41 -1131.54,207.35 -1131.54,207.35 -1132.93,208.22 -1132.93,208.22 -1134.35,209.02 -1134.35,209.02 -1135.81,209.75 -1135.81,209.75 -1137.31,210.41 -1137.31,210.41 -1138.84,211 -1138.84,211 -1140.39,211.51 -1140.39,211.51 -1141.97,211.95 -1141.97,211.95 -1143.57,212.3 -1143.57,212.3 -1145.18,212.58 -1145.18,212.58 -1146.8,212.78 -1146.8,212.78
  Top Layer region: -1248.43,212.9 -1250.07,212.94 -1250.07,212.94 -1251.7,212.9 -1251.7,212.9 -1253.34,212.78 -1253.34,212.78 -1254.96,212.57 -1254.96,212.57 -1256.57,212.29 -1256.57,212.29 -1258.17,211.94 -1258.17,211.94 -1259.75,211.5 -1259.75,211.5 -1261.3,210.99 -1261.3,210.99 -1262.83,210.4 -1262.83,210.4 -1264.32,209.74 -1264.32,209.74 -1265.79,209.01 -1265.79,209.01 -1267.21,208.2 -1267.21,208.2 -1268.59,207.33 -1268.59,207.33 -1269.93,206.39 -1269.93,206.39 -1271.23,205.38 -1271.23,205.38 -1272.47,204.32 -1272.47,204.32 -1273.65,203.19 -1273.65,203.19 -1274.78,202.01 -1274.78,202.01 -1275.86,200.77 -1275.86,200.77 -1276.87,199.49 -1276.87,199.49 -1277.81,198.15 -1277.81,198.15 -1278.69,196.77 -1278.69,196.77 -1279.5,195.35 -1279.5,195.35 -1280.24,193.89 -1280.24,193.89 -1280.91,192.4 -1280.91,192.4 -1281.51,190.87 -1281.51,190.87 -1282.03,189.32 -1282.03,189.32 -1282.47,187.75 -1282.47,187.75 -1282.83,186.15 -1282.83,186.15 -1283.12,184.54 -1283.12,184.54 -1283.33,182.92 -1283.33,182.92 -1283.46,181.29 -1283.46,181.29 -1283.5,179.68 -1283.5,179.68 -1283.53,179.68 -1283.53,179.68 -1283.53,-214.02 -1283.53,-214.02 -1216.6,-214.02 -1216.6,-214.02 -1216.6,179.68 -1216.6,179.68 -1216.65,181.32 -1216.65,181.32 -1216.78,182.95 -1216.78,182.95 -1216.99,184.57 -1216.99,184.57 -1217.28,186.18 -1217.28,186.18 -1217.65,187.78 -1217.65,187.78 -1218.09,189.35 -1218.09,189.35 -1218.61,190.9 -1218.61,190.9 -1219.21,192.43 -1219.21,192.43 -1219.88,193.92 -1219.88,193.92 -1220.62,195.38 -1220.62,195.38 -1221.43,196.8 -1221.43,196.8 -1222.31,198.18 -1222.31,198.18 -1223.26,199.51 -1223.26,199.51 -1224.27,200.8 -1224.27,200.8 -1225.34,202.03 -1225.34,202.03 -1226.48,203.22 -1226.48,203.22 -1227.66,204.34 -1227.66,204.34 -1228.91,205.4 -1228.91,205.4 -1230.2,206.41 -1230.2,206.41 -1231.54,207.35 -1231.54,207.35 -1232.92,208.22 -1232.92,208.22 -1234.35,209.02 -1234.35,209.02 -1235.81,209.75 -1235.81,209.75 -1237.31,210.41 -1237.31,210.41 -1238.84,211 -1238.84,211 -1240.39,211.51 -1240.39,211.51 -1241.97,211.95 -1241.97,211.95 -1243.57,212.3 -1243.57,212.3 -1245.18,212.58 -1245.18,212.58 -1246.8,212.78 -1246.8,212.78
  Top Layer region: -1348.43,212.9 -1350.07,212.94 -1350.07,212.94 -1351.7,212.9 -1351.7,212.9 -1353.33,212.77 -1353.33,212.77 -1354.96,212.57 -1354.96,212.57 -1356.57,212.29 -1356.57,212.29 -1358.17,211.94 -1358.17,211.94 -1359.74,211.5 -1359.74,211.5 -1361.3,210.99 -1361.3,210.99 -1362.83,210.4 -1362.83,210.4 -1364.32,209.74 -1364.32,209.74 -1365.78,209.01 -1365.78,209.01 -1367.21,208.2 -1367.21,208.2 -1368.59,207.33 -1368.59,207.33 -1369.93,206.39 -1369.93,206.39 -1371.22,205.38 -1371.22,205.38 -1372.46,204.32 -1372.46,204.32 -1373.65,203.19 -1373.65,203.19 -1374.78,202.01 -1374.78,202.01 -1375.85,200.77 -1375.85,200.77 -1376.86,199.49 -1376.86,199.49 -1377.81,198.15 -1377.81,198.15 -1378.69,196.77 -1378.69,196.77 -1379.5,195.35 -1379.5,195.35 -1380.24,193.89 -1380.24,193.89 -1380.91,192.4 -1380.91,192.4 -1381.5,190.87 -1381.5,190.87 -1382.02,189.32 -1382.02,189.32 -1382.47,187.75 -1382.47,187.75 -1382.83,186.15 -1382.83,186.15 -1383.12,184.54 -1383.12,184.54 -1383.33,182.92 -1383.33,182.92 -1383.45,181.29 -1383.45,181.29 -1383.5,179.68 -1383.5,179.68 -1383.53,179.68 -1383.53,179.68 -1383.53,-214.02 -1383.53,-214.02 -1316.6,-214.02 -1316.6,-214.02 -1316.6,179.68 -1316.6,179.68 -1316.65,181.32 -1316.65,181.32 -1316.78,182.95 -1316.78,182.95 -1316.99,184.57 -1316.99,184.57 -1317.28,186.18 -1317.28,186.18 -1317.65,187.78 -1317.65,187.78 -1318.09,189.35 -1318.09,189.35 -1318.61,190.9 -1318.61,190.9 -1319.2,192.43 -1319.2,192.43 -1319.88,193.92 -1319.88,193.92 -1320.62,195.38 -1320.62,195.38 -1321.43,196.8 -1321.43,196.8 -1322.31,198.18 -1322.31,198.18 -1323.26,199.51 -1323.26,199.51 -1324.27,200.8 -1324.27,200.8 -1325.34,202.03 -1325.34,202.03 -1326.47,203.21 -1326.47,203.21 -1327.66,204.34 -1327.66,204.34 -1328.9,205.4 -1328.9,205.4 -1330.2,206.41 -1330.2,206.41 -1331.54,207.35 -1331.54,207.35 -1332.92,208.22 -1332.92,208.22 -1334.35,209.02 -1334.35,209.02 -1335.81,209.75 -1335.81,209.75 -1337.31,210.41 -1337.31,210.41 -1338.83,211 -1338.83,211 -1340.39,211.51 -1340.39,211.51 -1341.97,211.94 -1341.97,211.94 -1343.56,212.3 -1343.56,212.3 -1345.18,212.58 -1345.18,212.58 -1346.8,212.78 -1346.8,212.78
  Top Layer region: -1448.43,212.9 -1450.07,212.94 -1450.07,212.94 -1451.7,212.9 -1451.7,212.9 -1453.33,212.78 -1453.33,212.78 -1454.96,212.57 -1454.96,212.57 -1456.57,212.29 -1456.57,212.29 -1458.17,211.94 -1458.17,211.94 -1459.75,211.5 -1459.75,211.5 -1461.3,210.99 -1461.3,210.99 -1462.83,210.4 -1462.83,210.4 -1464.32,209.74 -1464.32,209.74 -1465.79,209.01 -1465.79,209.01 -1467.21,208.2 -1467.21,208.2 -1468.59,207.33 -1468.59,207.33 -1469.93,206.39 -1469.93,206.39 -1471.22,205.38 -1471.22,205.38 -1472.46,204.32 -1472.46,204.32 -1473.65,203.19 -1473.65,203.19 -1474.78,202.01 -1474.78,202.01 -1475.85,200.77 -1475.85,200.77 -1476.87,199.49 -1476.87,199.49 -1477.81,198.15 -1477.81,198.15 -1478.69,196.77 -1478.69,196.77 -1479.5,195.35 -1479.5,195.35 -1480.24,193.89 -1480.24,193.89 -1480.91,192.4 -1480.91,192.4 -1481.5,190.87 -1481.5,190.87 -1482.03,189.32 -1482.03,189.32 -1482.47,187.75 -1482.47,187.75 -1482.83,186.15 -1482.83,186.15 -1483.12,184.54 -1483.12,184.54 -1483.33,182.92 -1483.33,182.92 -1483.46,181.29 -1483.46,181.29 -1483.5,179.68 -1483.5,179.68 -1483.53,179.68 -1483.53,179.68 -1483.53,-214.02 -1483.53,-214.02 -1416.6,-214.02 -1416.6,-214.02 -1416.6,179.68 -1416.6,179.68 -1416.66,181.32 -1416.66,181.32 -1416.78,182.95 -1416.78,182.95 -1416.99,184.57 -1416.99,184.57 -1417.28,186.18 -1417.28,186.18 -1417.65,187.78 -1417.65,187.78 -1418.09,189.35 -1418.09,189.35 -1418.61,190.9 -1418.61,190.9 -1419.21,192.43 -1419.21,192.43 -1419.88,193.92 -1419.88,193.92 -1420.62,195.38 -1420.62,195.38 -1421.43,196.8 -1421.43,196.8 -1422.31,198.18 -1422.31,198.18 -1423.26,199.51 -1423.26,199.51 -1424.27,200.8 -1424.27,200.8 -1425.34,202.03 -1425.34,202.03 -1426.48,203.21 -1426.48,203.21 -1427.66,204.34 -1427.66,204.34 -1428.9,205.4 -1428.9,205.4 -1430.2,206.41 -1430.2,206.41 -1431.54,207.35 -1431.54,207.35 -1432.92,208.22 -1432.92,208.22 -1434.35,209.02 -1434.35,209.02 -1435.81,209.75 -1435.81,209.75 -1437.31,210.41 -1437.31,210.41 -1438.84,211 -1438.84,211 -1440.39,211.51 -1440.39,211.51 -1441.97,211.95 -1441.97,211.95 -1443.57,212.3 -1443.57,212.3 -1445.18,212.58 -1445.18,212.58 -1446.8,212.78 -1446.8,212.78
  Top Layer region: -1548.41,213.21 -1550.04,213.25 -1550.04,213.25 -1551.68,213.21 -1551.68,213.21 -1553.31,213.09 -1553.31,213.09 -1554.93,212.89 -1554.93,212.89 -1556.54,212.61 -1556.54,212.61 -1558.14,212.25 -1558.14,212.25 -1559.72,211.82 -1559.72,211.82 -1561.27,211.3 -1561.27,211.3 -1562.8,210.72 -1562.8,210.72 -1564.3,210.06 -1564.3,210.06 -1565.76,209.32 -1565.76,209.32 -1567.18,208.52 -1567.18,208.52 -1568.57,207.64 -1568.57,207.64 -1569.91,206.7 -1569.91,206.7 -1571.2,205.7 -1571.2,205.7 -1572.44,204.63 -1572.44,204.63 -1573.62,203.51 -1573.62,203.51 -1574.76,202.32 -1574.76,202.32 -1575.83,201.09 -1575.83,201.09 -1576.84,199.8 -1576.84,199.8 -1577.78,198.47 -1577.78,198.47 -1578.66,197.09 -1578.66,197.09 -1579.47,195.67 -1579.47,195.67 -1580.21,194.21 -1580.21,194.21 -1580.88,192.71 -1580.88,192.71 -1581.48,191.19 -1581.48,191.19 -1582,189.64 -1582,189.64 -1582.44,188.06 -1582.44,188.06 -1582.8,186.47 -1582.8,186.47 -1583.09,184.86 -1583.09,184.86 -1583.3,183.23 -1583.3,183.23 -1583.43,181.6 -1583.43,181.6 -1583.47,180 -1583.47,180 -1583.5,180 -1583.5,180 -1583.5,-213.7 -1583.5,-213.7 -1516.57,-213.7 -1516.57,-213.7 -1516.57,180 -1516.57,180 -1516.62,181.63 -1516.62,181.63 -1516.75,183.27 -1516.75,183.27 -1516.96,184.89 -1516.96,184.89 -1517.25,186.5 -1517.25,186.5 -1517.62,188.09 -1517.62,188.09 -1518.06,189.67 -1518.06,189.67 -1518.58,191.22 -1518.58,191.22 -1519.18,192.74 -1519.18,192.74 -1519.85,194.24 -1519.85,194.24 -1520.59,195.69 -1520.59,195.69 -1521.4,197.11 -1521.4,197.11 -1522.28,198.49 -1522.28,198.49 -1523.23,199.83 -1523.23,199.83 -1524.24,201.11 -1524.24,201.11 -1525.32,202.35 -1525.32,202.35 -1526.45,203.53 -1526.45,203.53 -1527.64,204.65 -1527.64,204.65 -1528.88,205.72 -1528.88,205.72 -1530.17,206.72 -1530.17,206.72 -1531.51,207.66 -1531.51,207.66 -1532.9,208.53 -1532.9,208.53 -1534.32,209.34 -1534.32,209.34 -1535.78,210.07 -1535.78,210.07 -1537.28,210.73 -1537.28,210.73 -1538.81,211.32 -1538.81,211.32 -1540.36,211.83 -1540.36,211.83 -1541.94,212.26 -1541.94,212.26 -1543.54,212.62 -1543.54,212.62 -1545.15,212.9 -1545.15,212.9 -1546.77,213.09 -1546.77,213.09